# Altium PCB OSP_Carrier_V7_Release.PcbDoc (part 2 of 3)
Units mil, origin at the board's own origin, x right, y up, seen from the top; angles counter-clockwise.
Board outline 2523.62 x 2011.81 mil, 4 copper layers (Component Side, Signal Layer 1, Signal Layer 2, Solder Side), stack 62.2 mil thick; 153 components, 119 nets, 1098 pads, 392 vias.
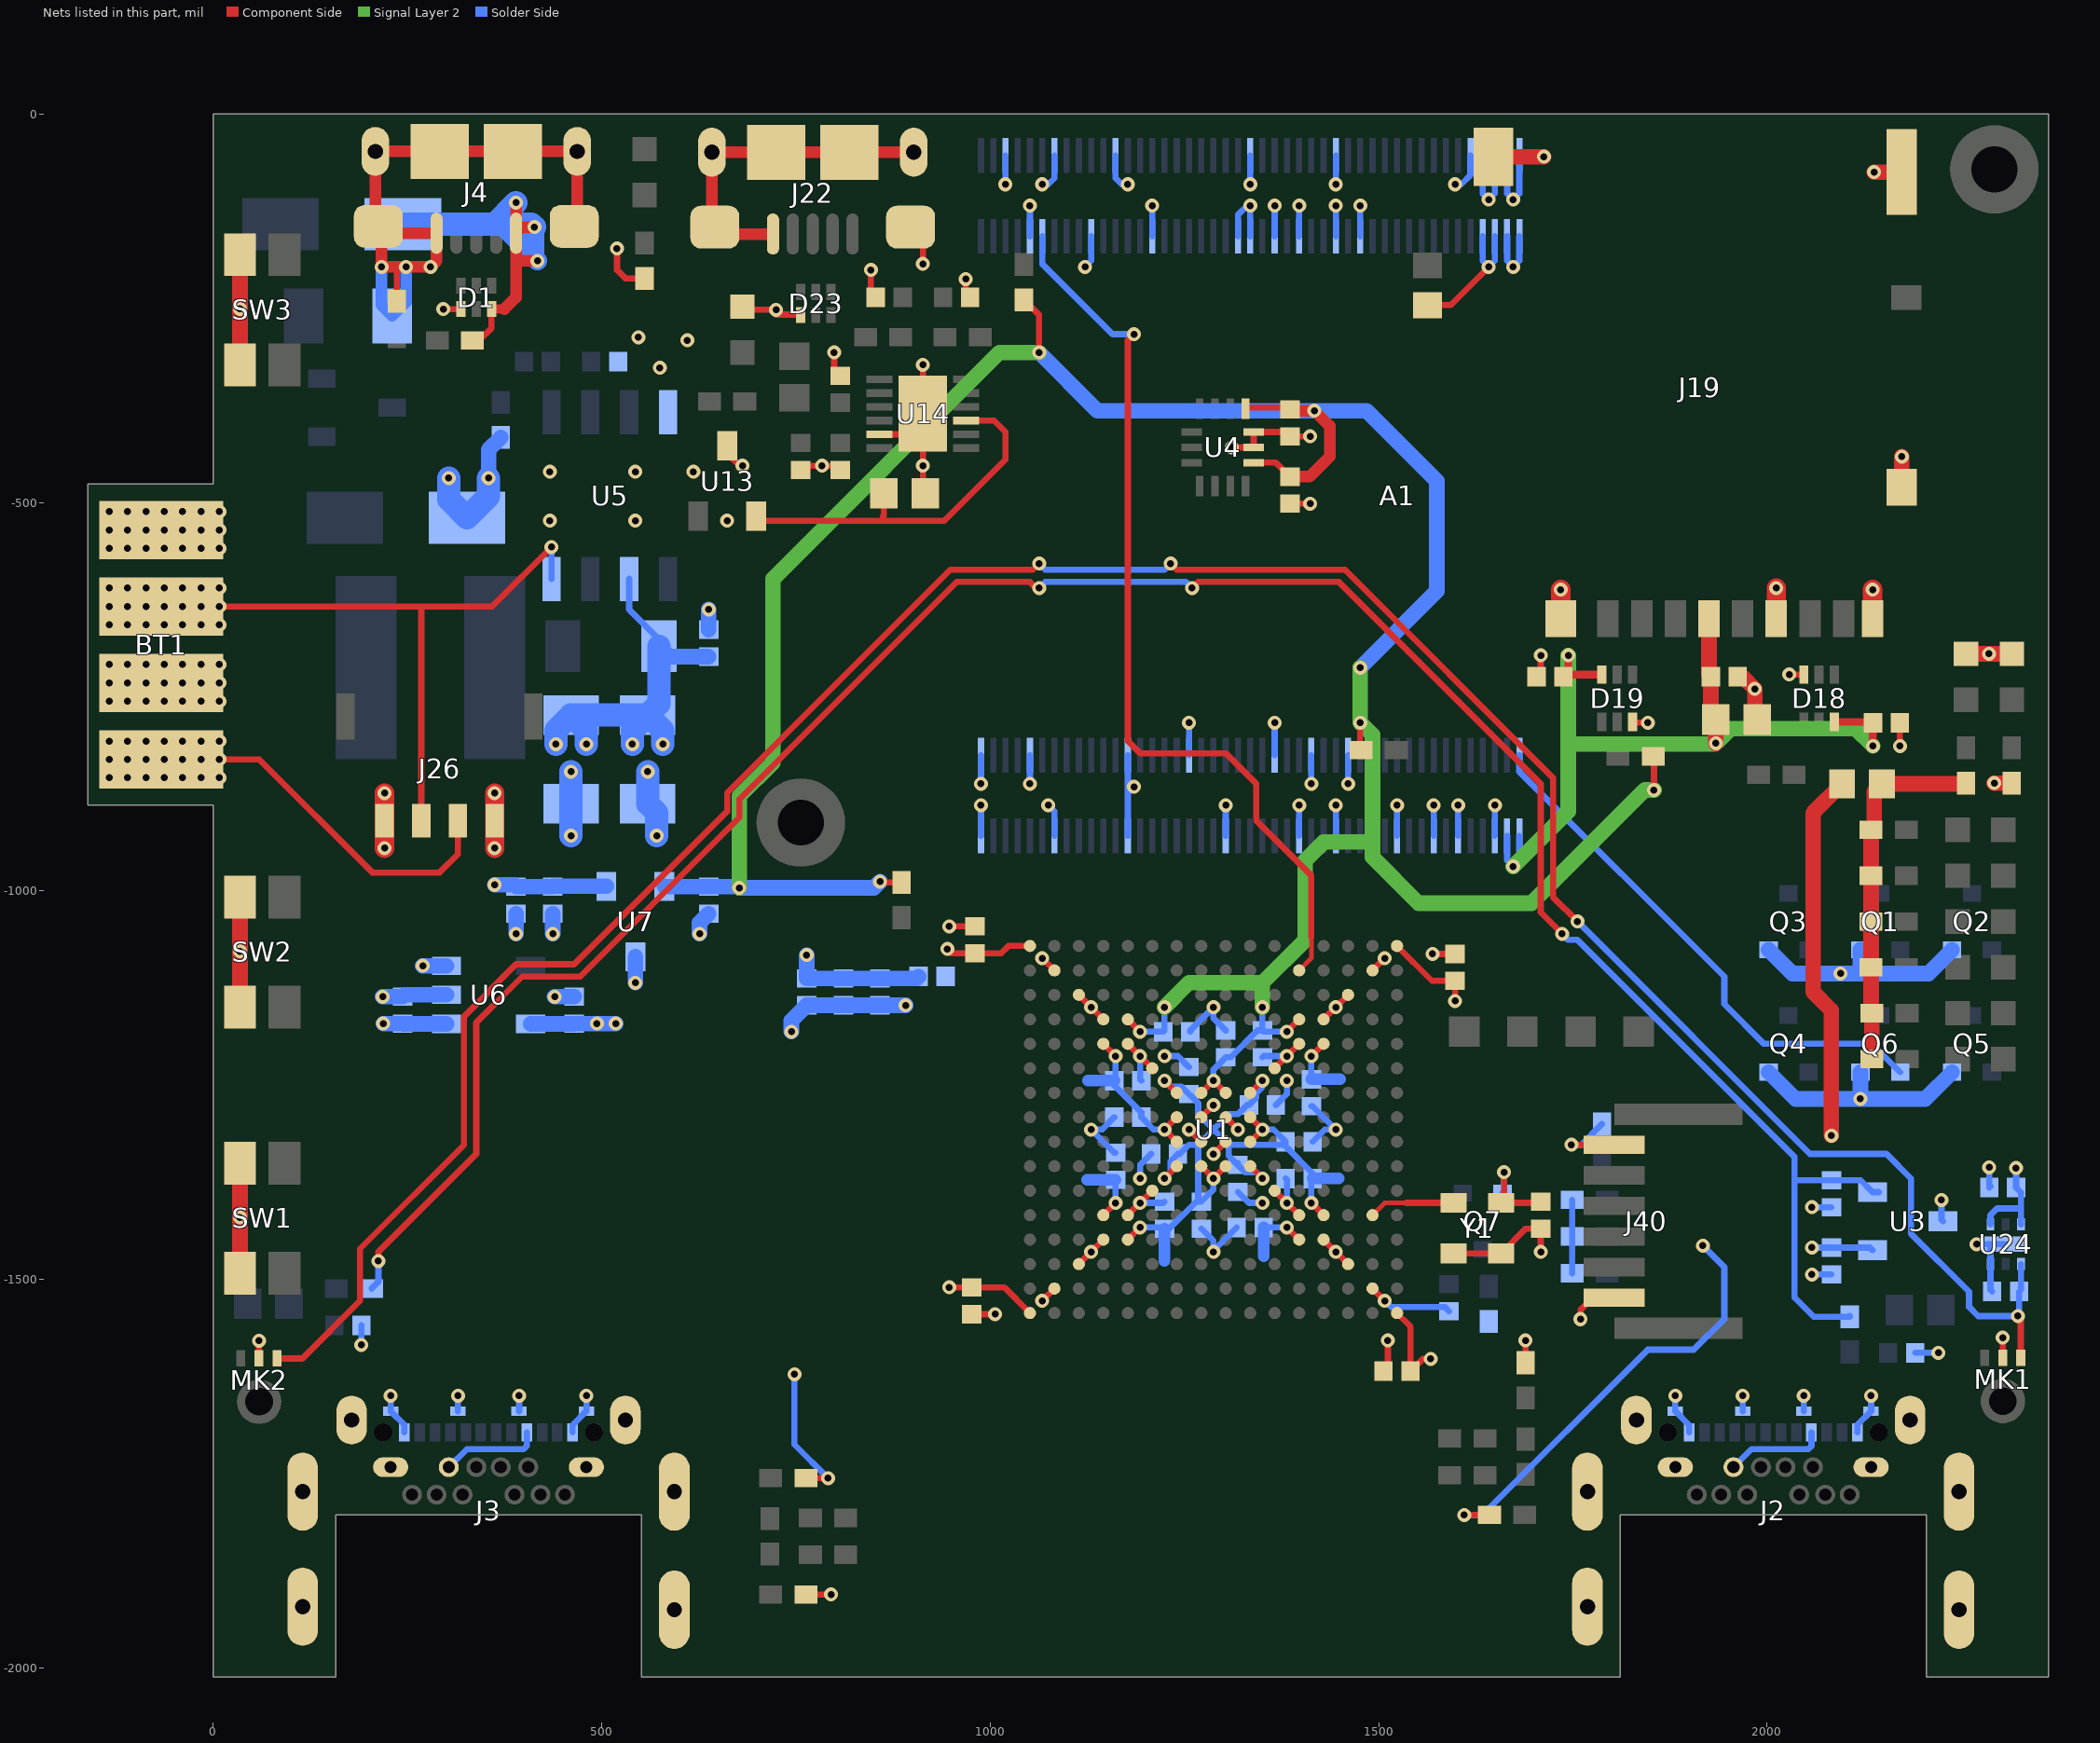
[diagram p4: the nets of this part, all layers, seen from the top]

## Part data
A1: "Variscite DART-SD410 System on Module"
BT1: library part SAMSUNG_BP2000, "Samsung BP2000 2000mAh battery for Galaxy Camera 2, connector AVX 9155-004-201-006", DNP=DNP
C1 C60 C71: library part C1005X5R1A475K050BC, "CAP CER 4.7UF 10V X5R 0402", Device Package="0402 (1005 Metric)", Manufacturer="TDK Corporation", Supplier Part Number 1=445-13820-2-ND, TemperatureCoefficient=X5R, TemperatureRange="-55C ~ 85C", Tolerance=10%, Voltage=10V, ComponentLink1Description=Datasheet, ComponentLink1URL=https://product.tdk.com/info/en/catalog/datasheets/mlcc_commercial_general_en.pdf, ComponentLink2Description="Digi-Key Listing", ComponentLink2URL=https://www.digikey.com/product-detail/en/tdk-corporation/C1005X5R1A475K050BC/445-13820-2-ND/3951056, PartId=12382, Part Number=C1005X5R1A475K050BC, Price=0.096, Supplier 1=Digi-Key
C2 C43 C44 C50 C54 C55 C62 C110 C111: library part GRM155R61A105KE15D, "CAP CER 1UF 10V X5R 0402", Device Package="0402 (1005 Metric)", Manufacturer="Murata Electronics North America", Supplier Part Number 1=490-3890-2-ND, TemperatureCoefficient=X5R, TemperatureRange="-55C ~ 85C", Tolerance=10%, Voltage=10V, ComponentLink1Description=Datasheet, ComponentLink1URL=http://www.murata.com/~/media/webrenewal/support/library/catalog/products/capacitor/mlcc/c02e.pdf, ComponentLink2Description="Digi-Key Listing", ComponentLink2URL=https://www.digikey.com/product-detail/en/murata-electronics-north-america/GRM155R61A105KE15D/490-3890-2-ND/965904, PartId=12338, Part Number=GRM155R61A105KE15D, Price=0.0069, Supplier 1=Digi-Key
C3 C4 C5 C6 C7 C12 C13 C14 C15 C16 C17 C18 C19 C20 C39 C53 C56 C59 C61 C72 C73: library part C1005X7R1H104K050BB, "CAP CER 0.1UF 50V X7R 0402", Device Package="0402 (1005 Metric)", Manufacturer="TDK Corporation", Supplier Part Number 1=445-5932-2-ND, TemperatureCoefficient=X7R, TemperatureRange="-55C ~ 125C", Tolerance=10%, Voltage=50V, ComponentLink1Description=Datasheet, ComponentLink1URL=https://product.tdk.com/info/en/catalog/datasheets/mlcc_commercial_general_en.pdf, ComponentLink2Description="Digi-Key listing", ComponentLink2URL=http://digikey.com/product-detail/en/C1005X7R1H104K050BB/445-5932-2-ND/2443410, PartId=3860, Part Number=C1005X7R1H104K050BB, Price=0.0287, Supplier 1=Digi-Key, Type=-
C8 C9 C10 C11 C21 C22 C23 C25 C26 C28: library part CC0402KRX7R8BB103, "CAP CER 10000PF 25V X7R 0402", Device Package="0402 (1005 Metric)", Manufacturer=Yageo, Supplier Part Number 1=311-1337-2-ND, TemperatureCoefficient=X7R, TemperatureRange="-55C ~ 125C", Tolerance=10%, Voltage=25V, ComponentLink1Description=Datasheet, ComponentLink1URL=http://www.yageo.com/documents/recent/UPY-GPHC_X7R_6.3V-to-50V_13.pdf, ComponentLink2Description="Digi-Key Listing", ComponentLink2URL=https://www.digikey.com/product-detail/en/yageo/CC0402KRX7R8BB103/311-1337-2-ND/2103075, PartId=12361, Part Number=CC0402KRX7R8BB103, Price=0.0017, Supplier 1=Digi-Key
C46 C51 C52: library part C1206C106M3RACTU, "CAP CER 10UF 25V X7R 1206", Device Package="1206 (3216 Metric)", Manufacturer=Kemet, Supplier Part Number 1=399-7443-2-ND, TemperatureCoefficient=X7R, TemperatureRange="-55C ~ 125C", Tolerance=20%, Voltage=25V, ComponentLink1Description=Datasheet, ComponentLink1URL=http://www.kemet.com/docfinder?Partnumber=C1206C106M3RACTU, ComponentLink2Description="Digi-Key listing", ComponentLink2URL=http://digikey.com/product-detail/en/C1206C106M3RACTU/399-7443-2-ND/3317649, PartId=6235, Part Number=C1206C106M3RACTU, Price=0.2272, Supplier 1=Digi-Key, Type=-
C47 C48: library part C1005C0G1H330J050BA, "CAP CER 33PF 50V C0G 0402", Device Package="0402 (1005 Metric)", Manufacturer="TDK Corporation", Supplier Part Number 1=445-1241-2-ND, TemperatureCoefficient="C0G, NP0", TemperatureRange="-55C ~ 125C", Tolerance=5%, Voltage=50V, ComponentLink1Description=Datasheet, ComponentLink1URL=https://product.tdk.com/info/en/catalog/datasheets/mlcc_commercial_general_en.pdf, ComponentLink2Description="Digi-Key listing", ComponentLink2URL=http://digikey.com/product-detail/en/C1005C0G1H330J050BA/445-1241-2-ND/513687, PartId=3877, Part Number=C1005C0G1H330J050BA, Price=0.006, Supplier 1=Digi-Key, Type=-
C49: library part GRM155R61A474KE15D, "CAP CER 0.47UF 10V X5R 0402", Device Package="0402 (1005 Metric)", Manufacturer="Murata Electronics North America", Supplier Part Number 1=490-3264-2-ND, TemperatureCoefficient=X5R, TemperatureRange="-55C ~ 85C", Tolerance=10%, Voltage=10V, ComponentLink1Description=Datasheet, ComponentLink1URL=http://www.murata.com/~/media/webrenewal/support/library/catalog/products/capacitor/mlcc/c02e.pdf, ComponentLink2Description="Digi-Key Listing", ComponentLink2URL=https://www.digikey.com/product-detail/en/murata-electronics-north-america/GRM155R61A474KE15D/490-3264-2-ND/702528, PartId=12351, Part Number=GRM155R61A474KE15D, Price=0.0121, Supplier 1=Digi-Key
C57 C74 C75: library part C1005C0G1H470G050BA, "CAP CER 47PF 50V C0G 0402", Device Package="0402 (1005 Metric)", Manufacturer="TDK Corporation", Supplier Part Number 1=445-5364-2-ND, TemperatureCoefficient="C0G, NP0", TemperatureRange="-55C ~ 125C", Tolerance=2%, Voltage=50V, ComponentLink1Description=Datasheet, ComponentLink1URL=https://product.tdk.com/info/en/catalog/datasheets/mlcc_commercial_general_en.pdf, ComponentLink2Description="Digi-Key listing", ComponentLink2URL=http://digikey.com/product-detail/en/C1005C0G1H470G050BA/445-5364-2-ND/2269858, PartId=3864, Part Number=C1005C0G1H470G050BA, Price=0.1148, Supplier 1=Digi-Key, Type=-
C58 C70 C98 C99: library part C1608X7R1E105K080AB, "CAP CER 1UF 25V X7R 0603", Device Package="0603 (1608 Metric)", Manufacturer="TDK Corporation", Supplier Part Number 1=445-5956-1-ND, TemperatureCoefficient=X7R, TemperatureRange="-55C ~ 125C", Tolerance=10%, Voltage=25V, ComponentLink1Description=Datasheet, ComponentLink1URL=https://product.tdk.com/info/en/catalog/datasheets/mlcc_commercial_general_en.pdf, ComponentLink2Description="Digi-Key listing", ComponentLink2URL=http://digikey.com/product-detail/en/C1608X7R1E105K080AB/445-5956-1-ND/2443997, PartId=4041, Part Number=C1608X7R1E105K080AB, Price=0.27, Supplier 1=Digi-Key, Type=-
D1 D23: library part TI_TPD4S012, "TI TPD4S012 USB ESD Protection"
D2 D3: library part B330A, "B330AE-13 Schottky Diode 3A 30V"
D18 D19: library part TI_TPD4E001, "TI TPD4E001 4-channel TVS ESD protection diodes"
FB1: library part CIM05U221NC, "FERRITE CHIP 220 OHM 500MA 0402", Current Rating=500mA, DC Resistance="350 mOhm Max", Device Package="0402 (1005 Metric)", Manufacturer="Samsung Electro-Mechanics America, Inc.", Supplier Part Number 1=1276-6344-2-ND, ComponentLink1Description=Datasheet, ComponentLink1URL=http://www.samsungsem.com/kr/front/downloadcms.do?path=/kr/support/product-search/bead/__icsFiles/afieldfile/2014/11/13&fileName=S_CIM05J102NC.pdf, ComponentLink2Description="Digi-Key listing", ComponentLink2URL=http://digikey.com/product-detail/en/CIM05U221NC/1276-6344-2-ND/3973776, PartId=6444, Part Number=CIM05U221NC, Price=0.0073, Supplier 1=Digi-Key, Type="Differential Mode - Single"
FB3: library part CIS10P221NC, "FERRITE CHIP 220 OHM 2500MA 0603", Current Rating=2.5A, DC Resistance="50 mOhm Max", Device Package="0603 (1608 Metric)", Manufacturer="Samsung Electro-Mechanics America, Inc.", Supplier Part Number 1=1276-6350-2-ND, ComponentLink1Description=Datasheet, ComponentLink1URL=http://media.digikey.com/pdf/Data%20Sheets/Samsung%20PDFs/CIS10P.pdf, ComponentLink2Description="Digi-Key listing", ComponentLink2URL=http://digikey.com/product-detail/en/CIS10P221NC/1276-6350-2-ND/3973857, PartId=6665, Part Number=CIS10P221NC, Price=0.031, Supplier 1=Digi-Key, Type="Differential Mode - Single"
J0 J00: library part Dummy_Hirose_SoM_Connector, "Hirose DF40C-90DS-0.4V(51) Board-to-Board Connector"
J2 J3: library part TE_USB_C_2129691-1, "TE 2129691-1 USB-C Socket"
J4 J22: library part 10118193-0001LF, "CONN USB MICRO B RECPT SMT R/A", Part Number=10118193-0001LF
J19: "CONN MICRO SD CARD PUSH-PUSH R/A", Manufacturer="Hirose Electric Co Ltd", Supplier Part Number 1=HR1964TR-ND, ComponentLink1Description=Datasheet, ComponentLink1URL=http://www.hirose.co.jp/cataloge_hp/e60900232.pdf, ComponentLink2Description="Digi-Key Listing", ComponentLink2URL=http://www.digikey.ca/product-detail/en/DM3AT-SF-PEJM5/HR1964TR-ND/2533565, Connector Type="Connector and Ejector", Contact Finish=Gold, Features=Switch, Mounting Type="Surface Mount, Right Angle", Number Of Positions="10 (8 + 2)", PartId=9287, Part Number=DM3AT-SF-PEJM5, Price=2.1114, Supplier 1=Digi-Key, Type="Connector and Ejector"
J26: library part AMPHENOL_10125839-04RAEHLF_DNP, "Amphenol 10125839-04RAEHLF (Do Not Populate)", DNP=DNP
J40: library part AMPHENOL_HFW6R-1STE1LF, "Amphenol HFW6R-1STE1LF 6-pin flat flexible cable connector"
L1: library part Laird_TYS60286R8M-10, "Laird TYS60286R8M-10 6.8uH 2.4A 47mOhms"
LD1: library part LTST-C191KRKT, "LED RED CLEAR 0603 SMD", Current (Test)=20mA, Device Package="0603 (1608 Metric)", Manufacturer="Lite-On Inc.", Supplier Part Number 1=160-1447-2-ND, Voltage Forward=2V, Colour=Red, ComponentLink1Description=Datasheet, ComponentLink1URL=http://optoelectronics.liteon.com/upload/download/DS22-2000-223/S_110_LTST-C191KRKT.pdf, ComponentLink2Description="Digi-Key Listing", ComponentLink2URL=http://www.digikey.ca/product-detail/en/LTST-C191KRKT/160-1447-2-ND/386837, Lens Transparency=Clear, Millicandela=54mcd, PartId=7050, Part Number=LTST-C191KRKT, Price=0.0521, Supplier 1=Digi-Key, Viewing Angle=130
LD2 LD9: library part LTST-C191KSKT, "LED YELLOW CLEAR 0603 SMD", Current (Test)=20mA, Device Package="0603 (1608 Metric)", Manufacturer="Lite-On Inc.", Supplier Part Number 1=160-1448-2-ND, Voltage Forward=2.1V, Colour=Yellow, ComponentLink1Description=Datasheet, ComponentLink1URL=http://optoelectronics.liteon.com/upload/download/DS22-2000-224/S_110_LTST-C191KSKT.pdf, ComponentLink2Description="Digi-Key Listing", ComponentLink2URL=http://www.digikey.ca/product-detail/en/LTST-C191KSKT/160-1448-2-ND/386839, Lens Transparency=Clear, Millicandela=104mcd, PartId=7053, Part Number=LTST-C191KSKT, Price=0.0555, Supplier 1=Digi-Key, Type="Surface Mount", Viewing Angle=130
LD3 LD5 LD6 LD7 LD8 LD11: library part LTST-C191KGKT, "LED GREEN CLEAR 0603 SMD", Current (Test)=20mA, Device Package="0603 (1608 Metric)", Manufacturer="Lite-On Inc.", Supplier Part Number 1=160-1446-2-ND, Voltage Forward=2V, Colour=Green, ComponentLink1Description=Datasheet, ComponentLink1URL=http://optoelectronics.liteon.com/upload/download/DS22-2000-228/S_110_LTST-C191KGKT.pdf, ComponentLink2Description="Digi-Key Listing", ComponentLink2URL=http://www.digikey.ca/product-detail/en/LTST-C191KGKT/160-1446-2-ND/386835, Lens Transparency=Clear, Millicandela=35mcd, PartId=7051, Part Number=LTST-C191KGKT, Price=0.0521, Supplier 1=Digi-Key, Type="Surface Mount", Viewing Angle=130
LD10: library part LTST-C193TBKT-5A, "LED BLUE CLEAR 0603 SMD", Current (Test)=5mA, Device Package="0603 (1608 Metric)", Manufacturer="Lite-On Inc.", Supplier Part Number 1=160-1827-2-ND, Voltage Forward=2.8V, Colour=Blue, ComponentLink1Description=Datasheet, ComponentLink1URL=http://optoelectronics.liteon.com/upload/download/DS22-2004-060/P_100_LTST-C193TBKT-5A.pdf, ComponentLink2Description="Digi-Key Listing", ComponentLink2URL=http://www.digikey.ca/product-detail/en/LTST-C193TBKT-5A/160-1827-2-ND/2053656, Lens Transparency=Clear, Millicandela=15mcd, PartId=7054, Part Number=LTST-C193TBKT-5A, Price=0.0875, Supplier 1=Digi-Key, Type="Surface Mount", Viewing Angle=130
MK1 MK2: library part Mems_Mic, "Generic 3-pin bottom mount MEMS mic", DNP=DNP
Q1 Q2 Q3 Q4 Q5 Q6 Q7: "MOSFET N-CH 30V 180MA SOT323", Part Number=NX3020NAKW,115
Q8: library part NXP_PMV30XPEAR, "PMV30XPEAR PMOS 20V -5.3A 28mOhms"
R1 R12 R17 R18 R29: library part ERJ-2RKF2001X, "RES SMD 2K OHM 1% 1/10W 0402", Device Package="0402 (1005 Metric)", Manufacturer="Panasonic Electronic Components", PowerRating="0.1W, 1/10W", Supplier Part Number 1=P2.00KLTR-ND, TemperatureCoefficient=100ppm/C, TemperatureRange="-55C ~ 155C", Tolerance=1%, ComponentLink1Description=Datasheet, ComponentLink1URL=http://industrial.panasonic.com/www-cgi/jvcr13pz.cgi?E+PZ+3+AOA0002+ERJ2RKF2001X+7+WW, ComponentLink2Description="Digikey listing", ComponentLink2URL=http://digikey.com/product-detail/en/ERJ-2RKF2001X/P2.00KLTR-ND/192194, PartId=16, Part Number=ERJ-2RKF2001X, Price=0.0043, Supplier 1=Digi-Key, Type="Thick Film"
R2 R5: library part ERJ-2RKF3300X, "RES SMD 330 OHM 1% 1/10W 0402", Device Package="0402 (1005 Metric)", Manufacturer="Panasonic Electronic Components", PowerRating="0.1W, 1/10W", Supplier Part Number 1=P330LTR-ND, TemperatureCoefficient=100ppm/C, TemperatureRange="-55C ~ 155C", Tolerance=1%, ComponentLink1Description=Datasheet, ComponentLink1URL=http://industrial.panasonic.com/www-cgi/jvcr13pz.cgi?E+PZ+3+AOA0002+ERJ2RKF3300X+7+WW, ComponentLink2Description="Digikey listing", ComponentLink2URL=http://digikey.com/product-detail/en/ERJ-2RKF3300X/P330LTR-ND/1746189, PartId=165, Part Number=ERJ-2RKF3300X, Price=0.0043, Supplier 1=Digi-Key, Type="Thick Film"
R3: library part ERJ-2RKF4701X, "RES SMD 4.7K OHM 1% 1/10W 0402", Device Package="0402 (1005 Metric)", Manufacturer="Panasonic Electronic Components", PowerRating="0.1W, 1/10W", Supplier Part Number 1=P4.70KLTR-ND, TemperatureCoefficient=100ppm/C, TemperatureRange="-55C ~ 155C", Tolerance=1%, ComponentLink1Description=Datasheet, ComponentLink1URL=http://industrial.panasonic.com/www-cgi/jvcr13pz.cgi?E+PZ+3+AOA0002+ERJ2RKF4701X+7+WW, ComponentLink2Description="Digikey listing", ComponentLink2URL=http://digikey.com/product-detail/en/ERJ-2RKF4701X/P4.70KLTR-ND/1746231, PartId=5, Part Number=ERJ-2RKF4701X, Price=0.0043, Supplier 1=Digi-Key, Type="Thick Film"
R4 R7 R10 R11 R28 R31 R40 R41 R44: library part ERJ-2RKF1002X, "RES SMD 10K OHM 1% 1/10W 0402", Device Package="0402 (1005 Metric)", Manufacturer="Panasonic Electronic Components", PowerRating="0.1W, 1/10W", Supplier Part Number 1=P10.0KLTR-ND, TemperatureCoefficient=100ppm/C, TemperatureRange="-55C ~ 155C", Tolerance=1%, ComponentLink1Description=Datasheet, ComponentLink1URL=http://industrial.panasonic.com/www-cgi/jvcr13pz.cgi?E+PZ+3+AOA0002+ERJ2RKF1002X+7+WW, ComponentLink2Description="Digikey listing", ComponentLink2URL=http://digikey.com/product-detail/en/ERJ-2RKF1002X/P10.0KLTR-ND/192073, PartId=1, Part Number=ERJ-2RKF1002X, Price=0.0043, Supplier 1=Digi-Key, Type="Thick Film"
  R28 R31: DNP=DNP
R6 R43: library part CRCW06030000Z0EAHP, "RES SMD 0.0 OHM JUMPER 1/4W 0603", Device Package="0603 (1608 Metric)", Manufacturer="Vishay Dale", PowerRating="0.25W, 1/4W", Supplier Part Number 1=541-0.0SBTR-ND, TemperatureRange="-55C ~ 155C", Tolerance=Jumper, ComponentLink1Description=Datasheet, ComponentLink1URL=http://www.vishay.com/docs/20043/crcwhpe3.pdf, ComponentLink2Description="Digi-Key Listing", ComponentLink2URL=https://www.digikey.com/product-detail/en/vishay-dale/CRCW06030000Z0EAHP/541-0.0SBTR-ND/2222231, PartId=16113, Part Number=CRCW06030000Z0EAHP, Price=0.0238, Supplier 1=Digi-Key
  R6: DNP=DNP
R8: library part CSR1206FKR200, "RES SMD 0.2 OHM 1% 1/2W 1206", Device Package="1206 (3216 Metric)", Manufacturer="Stackpole Electronics Inc.", PowerRating="0.5W, 1/2W", Supplier Part Number 1=CSR1206FKR200TR-ND, TemperatureCoefficient=100ppm/C, TemperatureRange="-55C ~ 155C", Tolerance=1%, ComponentLink1Description=Datasheet, ComponentLink1URL=http://www.seielect.com/catalog/SEI-CSR_CSRN.pdf, ComponentLink2Description="Digi-Key Listing", ComponentLink2URL=https://www.digikey.com/product-detail/en/stackpole-electronics-inc/CSR1206FKR200/CSR1206FKR200TR-ND/1742391, PartId=9964, Part Number=CSR1206FKR200, Price=0.072, Supplier 1=Digi-Key
R9: library part ERJ-2RKF2201X, "RES SMD 2.2K OHM 1% 1/10W 0402", Device Package="0402 (1005 Metric)", Manufacturer="Panasonic Electronic Components", PowerRating="0.1W, 1/10W", Supplier Part Number 1=P2.20KLTR-ND, TemperatureCoefficient=100ppm/C, TemperatureRange="-55C ~ 155C", Tolerance=1%, ComponentLink1Description=Datasheet, ComponentLink1URL=http://industrial.panasonic.com/www-cgi/jvcr13pz.cgi?E+PZ+3+AOA0002+ERJ2RKF2201X+7+WW, ComponentLink2Description="Digikey listing", ComponentLink2URL=http://digikey.com/product-detail/en/ERJ-2RKF2201X/P2.20KLTR-ND/1746150, PartId=8, Part Number=ERJ-2RKF2201X, Price=0.0043, Supplier 1=Digi-Key, Type="Thick Film"
R13 R16 R19 R21: library part ERJ-2RKF1000X, "RES SMD 100 OHM 1% 1/10W 0402", Device Package="0402 (1005 Metric)", Manufacturer="Panasonic Electronic Components", PowerRating="0.1W, 1/10W", Supplier Part Number 1=P100LTR-ND, TemperatureCoefficient=100ppm/C, TemperatureRange="-55C ~ 155C", Tolerance=1%, ComponentLink1Description=Datasheet, ComponentLink1URL=http://industrial.panasonic.com/www-cgi/jvcr13pz.cgi?E+PZ+3+AOA0002+ERJ2RKF1000X+7+WW, ComponentLink2Description="Digikey listing", ComponentLink2URL=http://digikey.com/product-detail/en/ERJ-2RKF1000X/P100LTR-ND/192080, PartId=3, Part Number=ERJ-2RKF1000X, Price=0.0043, Supplier 1=Digi-Key, Type="Thick Film"
R14 R20: library part ERJ-2RKF1150X, "RES SMD 115 OHM 1% 1/10W 0402", Device Package="0402 (1005 Metric)", Manufacturer="Panasonic Electronic Components", PowerRating="0.1W, 1/10W", Supplier Part Number 1=P115LTR-ND, TemperatureCoefficient=100ppm/C, TemperatureRange="-55C ~ 155C", Tolerance=1%, ComponentLink1Description=Datasheet, ComponentLink1URL=http://industrial.panasonic.com/www-cgi/jvcr13pz.cgi?E+PZ+3+AOA0002+ERJ2RKF1150X+7+WW, ComponentLink2Description="Digikey listing", ComponentLink2URL=http://digikey.com/product-detail/en/ERJ-2RKF1150X/P115LTR-ND/192100, PartId=127, Part Number=ERJ-2RKF1150X, Price=0.0035, Supplier 1=Digi-Key, Type="Thick Film"
R22 R23 R24 R25 R26 R27: library part ERJ-2RKF2000X, "RES SMD 200 OHM 1% 1/10W 0402", Device Package="0402 (1005 Metric)", Manufacturer="Panasonic Electronic Components", PowerRating="0.1W, 1/10W", Supplier Part Number 1=P200LTR-ND, TemperatureCoefficient=100ppm/C, TemperatureRange="-55C ~ 155C", Tolerance=1%, ComponentLink1Description=Datasheet, ComponentLink1URL=http://industrial.panasonic.com/www-cgi/jvcr13pz.cgi?E+PZ+3+AOA0002+ERJ2RKF2000X+7+WW, ComponentLink2Description="Digikey listing", ComponentLink2URL=http://digikey.com/product-detail/en/ERJ-2RKF2000X/P200LTR-ND/192215, PartId=12, Part Number=ERJ-2RKF2000X, Price=0.0043, Supplier 1=Digi-Key, Type="Thick Film"
R30: library part ERJ-2RKF1003X, "RES SMD 100K OHM 1% 1/10W 0402", Device Package="0402 (1005 Metric)", Manufacturer="Panasonic Electronic Components", PowerRating="0.1W, 1/10W", Supplier Part Number 1=P100KLTR-ND, TemperatureCoefficient=100ppm/C, TemperatureRange="-55C ~ 155C", Tolerance=1%, ComponentLink1Description=Datasheet, ComponentLink1URL=http://industrial.panasonic.com/www-cgi/jvcr13pz.cgi?E+PZ+3+AOA0002+ERJ2RKF1003X+7+WW, ComponentLink2Description="Digikey listing", ComponentLink2URL=http://digikey.com/product-detail/en/ERJ-2RKF1003X/P100KLTR-ND/192081, PartId=2, Part Number=ERJ-2RKF1003X, Price=0.0043, Supplier 1=Digi-Key, Type="Thick Film"
R32: library part ERJ-2RKF1003X, "RES SMD 100K OHM 1% 1/10W 0402", Part Number=ERJ-2RKF1003X
R35: library part ERJ-2RKF4702X, "RES SMD 47K OHM 1% 1/10W 0402", Device Package="0402 (1005 Metric)", Manufacturer="Panasonic Electronic Components", PowerRating="0.1W, 1/10W", Supplier Part Number 1=P47.0KLTR-ND, TemperatureCoefficient=100ppm/C, TemperatureRange="-55C ~ 155C", Tolerance=1%, ComponentLink1Description=Datasheet, ComponentLink1URL=http://industrial.panasonic.com/www-cgi/jvcr13pz.cgi?E+PZ+3+AOA0002+ERJ2RKF4702X+7+WW, ComponentLink2Description="Digikey listing", ComponentLink2URL=http://digikey.com/product-detail/en/ERJ-2RKF4702X/P47.0KLTR-ND/1746233, PartId=22, Part Number=ERJ-2RKF4702X, Price=0.0043, Supplier 1=Digi-Key, Type="Thick Film"
R47: library part ERJ-2RKF1004X, "RES SMD 1M OHM 1% 1/10W 0402", Device Package="0402 (1005 Metric)", Manufacturer="Panasonic Electronic Components", PowerRating="0.1W, 1/10W", Supplier Part Number 1=P1.00MLTR-ND, TemperatureCoefficient=100ppm/C, TemperatureRange="-55C ~ 155C", Tolerance=1%, ComponentLink1Description=Datasheet, ComponentLink1URL=http://industrial.panasonic.com/www-cgi/jvcr13pz.cgi?E+PZ+3+AOA0002+ERJ2RKF1004X+7+WW, ComponentLink2Description="Digikey listing", ComponentLink2URL=http://digikey.com/product-detail/en/ERJ-2RKF1004X/P1.00MLTR-ND/79728, PartId=7, Part Number=ERJ-2RKF1004X, Price=0.0043, Supplier 1=Digi-Key, Type="Thick Film"